# KiCad board Computer Board V2.1.kicad_pcb
title: Z80 Computer Board V2; date: 2025-09-06; rev: 1; note: By Thomas Combe
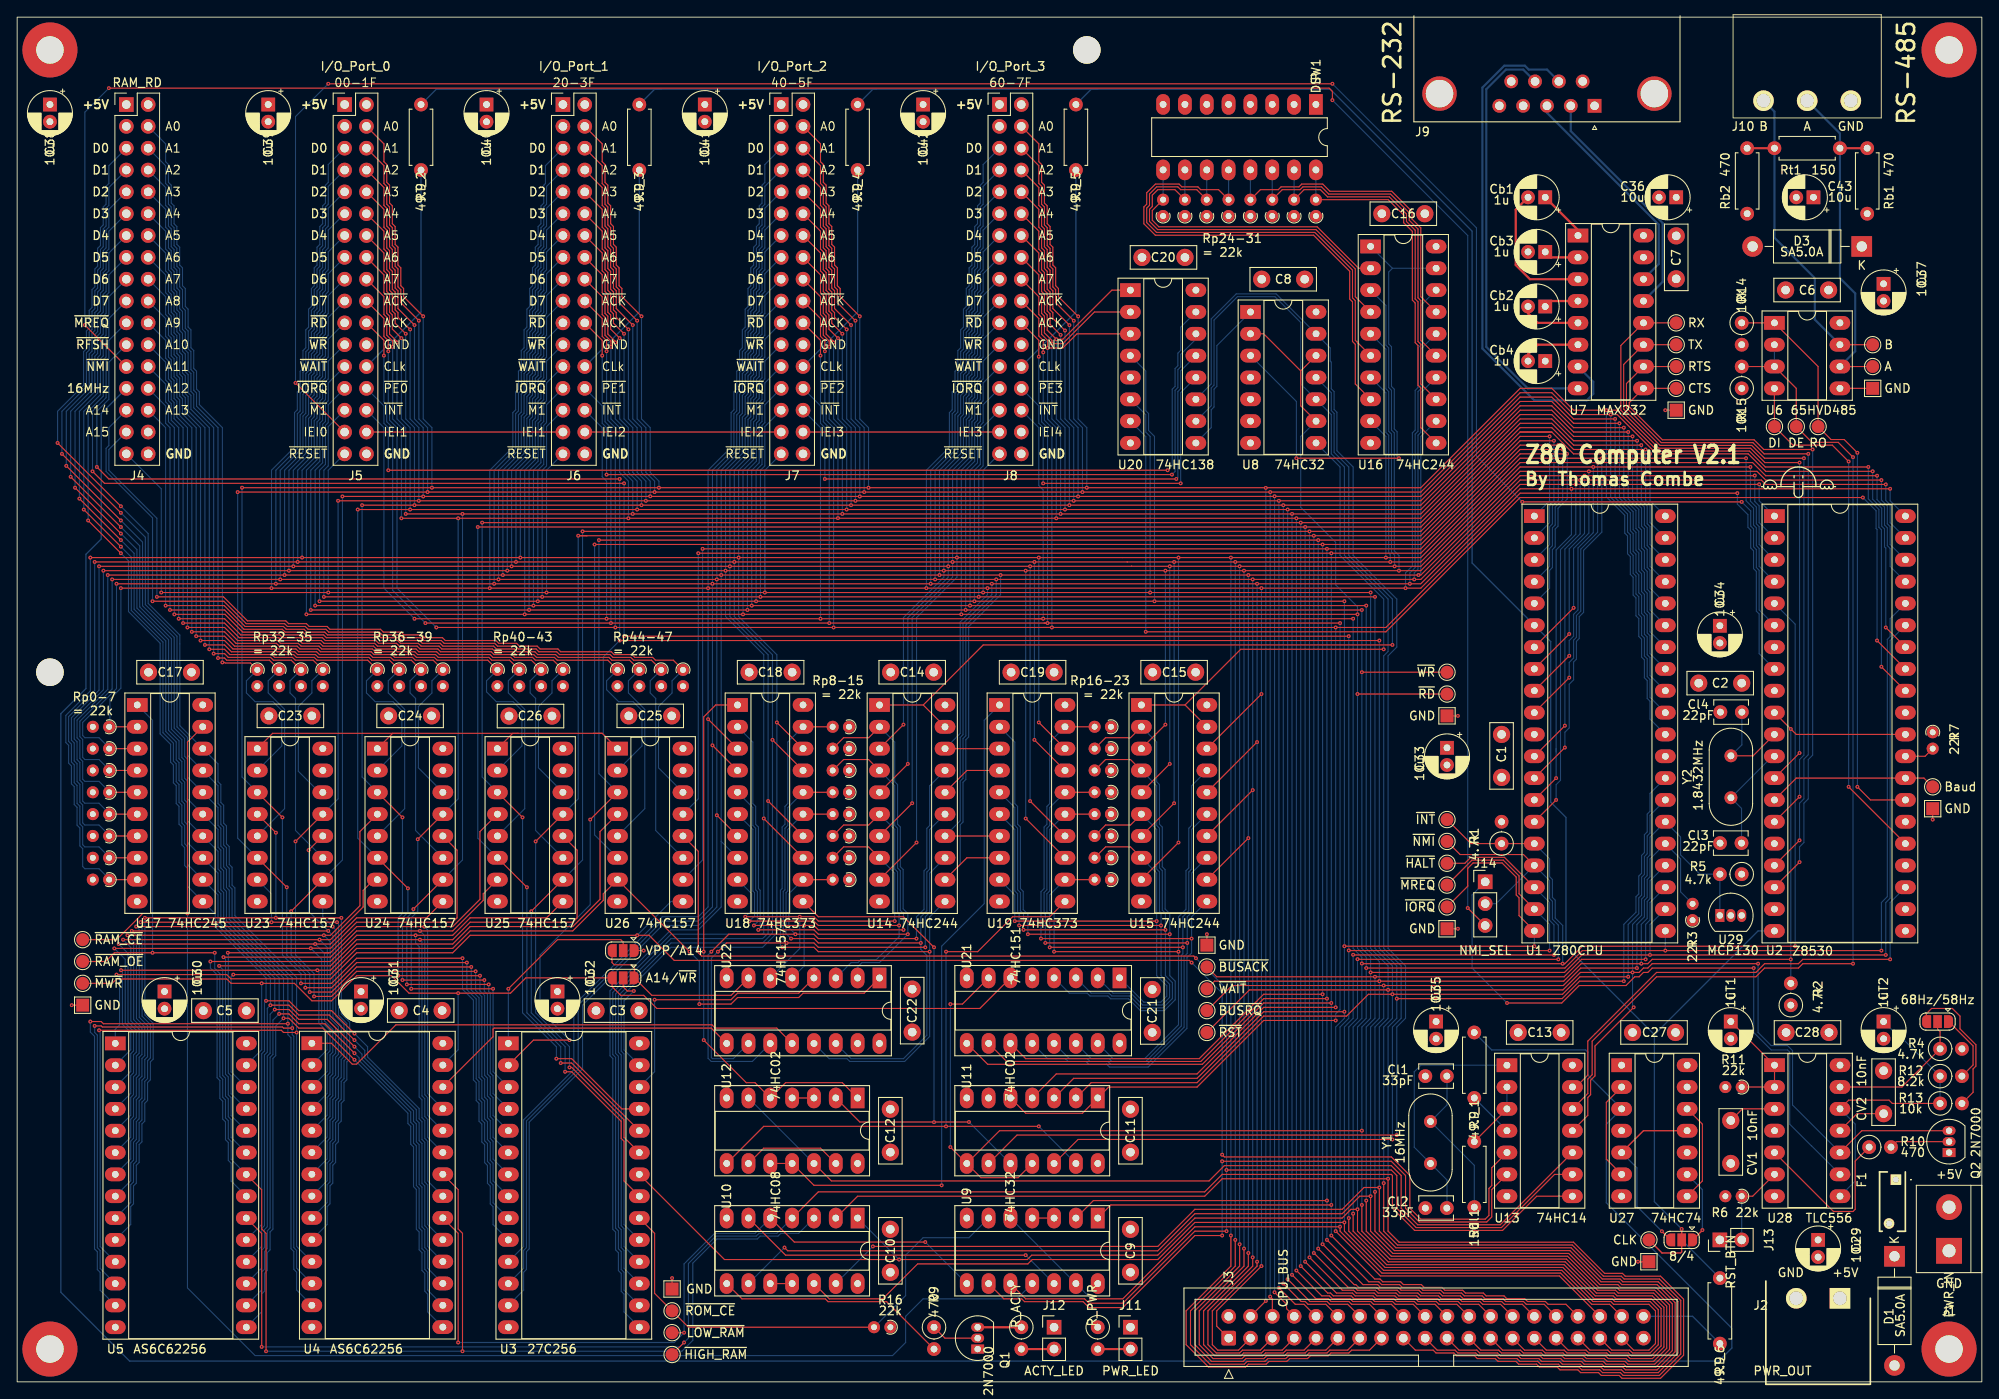
[diagram p0: board, top side]
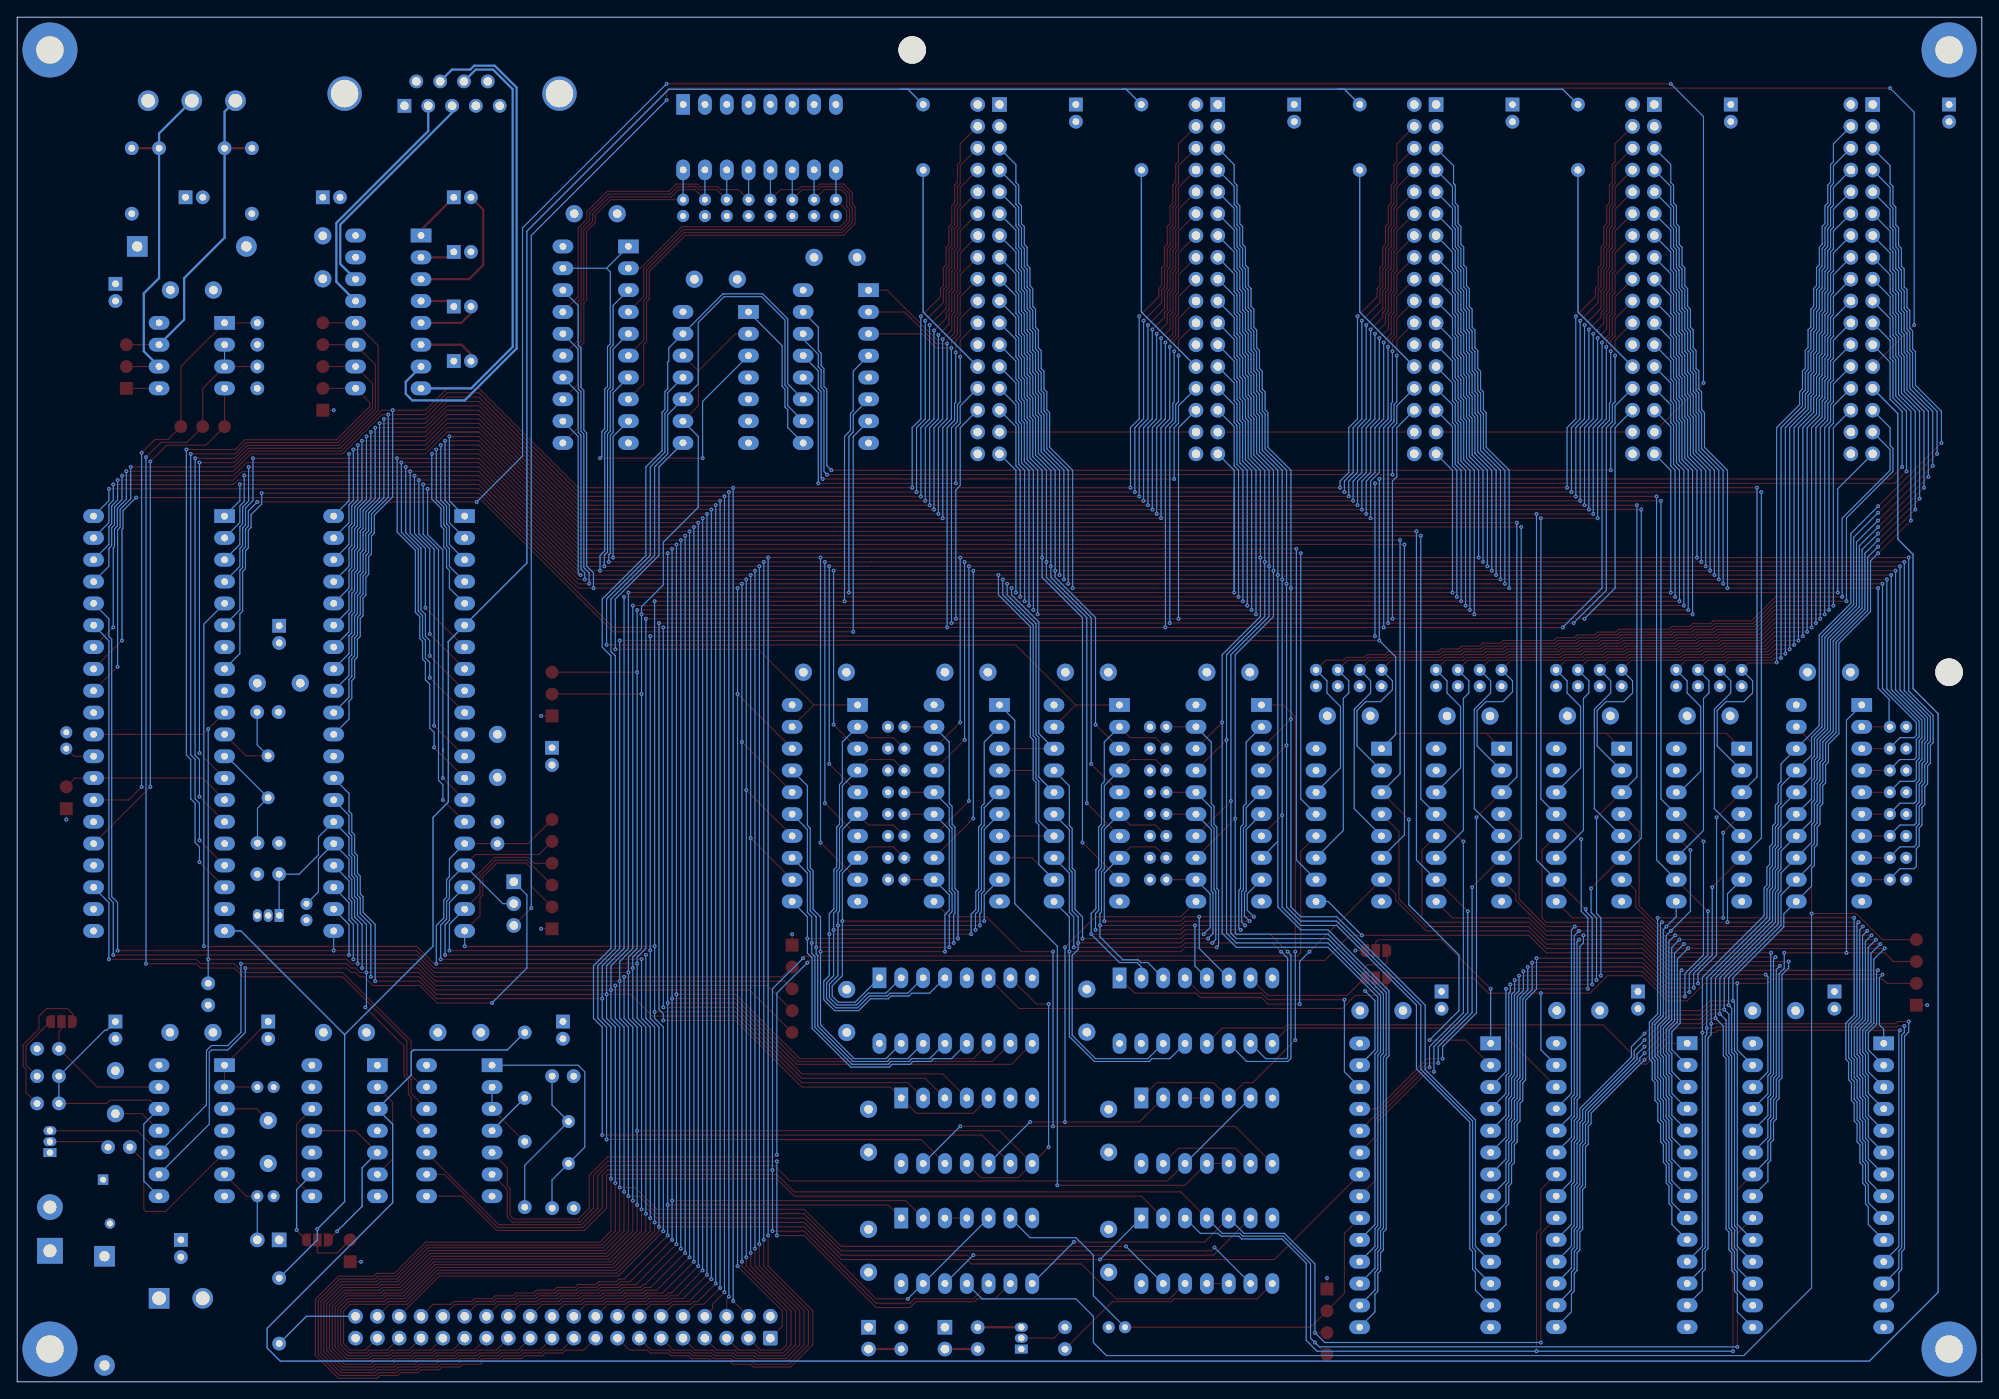
[diagram p1: board, bottom side, seen from below]

Outline 228.6 x 158.75 mm; copper layers: Top, In1.Cu, In2.Cu, Bottom. Coordinates in mm from the lower left corner of the outline.
Outline path: 0,158.75 228.6,158.75 228.6,0 0,0 0,158.75
Stack: Top 0.035mm / dielectric 0.1mm FR4 er 4.5 / In1.Cu 0.035mm / dielectric 1.24mm FR4 er 4.5 / In2.Cu 0.035mm / dielectric 0.1mm FR4 er 4.5 / Bottom 0.035mm

## Placement (name value [footprint] x y rotation side)
C1  10nF  [C_Disc_D7.5mm_W2.5mm_P5.00mm]  172.72 75.31 270 top
C2  10nF  [C_Disc_D7.5mm_W2.5mm_P5.00mm]  200.66 81.28 180 top
C3  10nF  [C_Disc_D7.5mm_W2.5mm_P5.00mm]  72.35 43.18 180 top
C4  10nF  [C_Disc_D7.5mm_W2.5mm_P5.00mm]  49.45 43.19 180 top
C5  10nF  [C_Disc_D7.5mm_W2.5mm_P5.00mm]  26.67 43.18 180 top
C6  10nF  [C_Disc_D7.5mm_W2.5mm_P5.00mm]  210.77 127.01 180 top
C7  10nF  [C_Disc_D7.5mm_W2.5mm_P5.00mm]  193.04 133.31 270 top
C8  10nF  [C_Disc_D7.5mm_W2.5mm_P5.00mm]  149.81 128.26 180 top
C9  10nF  [C_Disc_D7.5mm_W2.5mm_P5.00mm]  129.54 12.74 90 top
C10  10nF  [C_Disc_D7.5mm_W2.5mm_P5.00mm]  101.6 12.74 90 top
C11  10nF  [C_Disc_D7.5mm_W2.5mm_P5.00mm]  129.54 26.71 90 top
C12  10nF  [C_Disc_D7.5mm_W2.5mm_P5.00mm]  101.6 26.71 90 top
C13  10nF  [C_Disc_D7.5mm_W2.5mm_P5.00mm]  179.66 40.64 180 top
C14  10nF  [C_Disc_D7.5mm_W2.5mm_P5.00mm]  106.64 82.55 180 top
C15  10nF  [C_Disc_D7.5mm_W2.5mm_P5.00mm]  137.12 82.55 180 top
C16  10nF  [C_Disc_D7.5mm_W2.5mm_P5.00mm]  163.79 135.89 180 top
C17  10nF  [C_Disc_D7.5mm_W2.5mm_P5.00mm]  15.28 82.55 0 top
C18  10nF  [C_Disc_D7.5mm_W2.5mm_P5.00mm]  90.17 82.55 180 top
C19  10nF  [C_Disc_D7.5mm_W2.5mm_P5.00mm]  120.65 82.55 180 top
C20  10nF  [C_Disc_D7.5mm_W2.5mm_P5.00mm]  135.88 130.81 180 top
C21  10nF  [C_Disc_D7.5mm_W2.5mm_P5.00mm]  132.08 40.64 90 top
C22  10nF  [C_Disc_D7.5mm_W2.5mm_P5.00mm]  104.14 40.68 90 top
C23  10nF  [C_Disc_D7.5mm_W2.5mm_P5.00mm]  34.29 77.47 180 top
C24  10nF  [C_Disc_D7.5mm_W2.5mm_P5.00mm]  48.22 77.47 180 top
C25  10nF  [C_Disc_D7.5mm_W2.5mm_P5.00mm]  76.16 77.47 180 top
C26  10nF  [C_Disc_D7.5mm_W2.5mm_P5.00mm]  62.23 77.45 180 top
C27  10nF  [C_Disc_D7.5mm_W2.5mm_P5.00mm]  192.96 40.64 180 top
C28  10nF  [C_Disc_D7.5mm_W2.5mm_P5.00mm]  210.82 40.64 180 top
C29  10u  [CP_Radial_D5.0mm_P2.00mm]  209.55 16.51 270 top
C30  10u  [CP_Radial_D5.0mm_P2.00mm]  17.15 45.41 270 top
C31  10u  [CP_Radial_D5.0mm_P2.00mm]  40.01 45.41 270 top
C32  10u  [CP_Radial_D5.0mm_P2.00mm]  62.87 45.41 270 top
C33  10u  [CP_Radial_D5.0mm_P2.00mm]  166.37 73.75 270 top
C34  10u  [CP_Radial_D5.0mm_P2.00mm]  198.12 87.95 270 top
C35  10u  [CP_Radial_D5.0mm_P2.00mm]  165.1 41.91 270 top
C36  10u  [CP_Radial_D5.0mm_P2.00mm]  193.04 137.79 180 top
C37  10u  [CP_Radial_D5.0mm_P2.00mm]  217.17 127.73 270 top
C38  10u  [CP_Radial_D5.0mm_P2.00mm]  3.81 148.59 270 top
C39  10u  [CP_Radial_D5.0mm_P2.00mm]  29.21 148.59 270 top
C40  10u  [CP_Radial_D5.0mm_P2.00mm]  54.61 148.59 270 top
C41  10u  [CP_Radial_D5.0mm_P2.00mm]  80.01 148.59 270 top
C42  10u  [CP_Radial_D5.0mm_P2.00mm]  105.41 148.59 270 top
C43  10u  [CP_Radial_D5.0mm_P2.00mm]  209.01 137.79 180 top
Cb1  1u  [CP_Radial_D5.0mm_P2.00mm]  177.8 137.79 180 top
Cb2  1u  [CP_Radial_D5.0mm_P2.00mm]  177.8 125.09 180 top
Cb3  1u  [CP_Radial_D5.0mm_P2.00mm]  177.8 131.44 180 top
Cb4  1u  [CP_Radial_D5.0mm_P2.00mm]  177.8 118.74 180 top
Cl1  33pF  [C_Disc_D3.8mm_W2.6mm_P2.50mm]  166.35 35.56 180 top
Cl2  33pF  [C_Disc_D3.8mm_W2.6mm_P2.50mm]  166.35 20.21 180 top
Cl3  22pF  [C_Disc_D3.8mm_W2.6mm_P2.50mm]  200.64 62.67 180 top
Cl4  22pF  [C_Disc_D3.8mm_W2.6mm_P2.50mm]  200.68 77.91 180 top
CT1  1u  [CP_Radial_D5.0mm_P2.00mm]  199.39 41.91 270 top
CT2  1u  [CP_Radial_D5.0mm_P2.00mm]  217.17 41.91 270 top
CV1  10nF  [C_Disc_D7.5mm_W2.5mm_P5.00mm]  199.39 30.4 270 top
CV2  10nF  [C_Disc_D7.5mm_W2.5mm_P5.00mm]  217.17 31.19 90 top
D1  SA5.0A  [D_DO-15_P12.70mm_Horizontal]  218.44 14.6 270 top
D3  SA5.0A  [D_DO-15_P12.70mm_Horizontal]  214.63 132.08 180 top
F1  -  [0ZRG0120FF1E]  218.6 23.51 270 top
H1  M3  [MountingHole_3.2mm_M3_Pad]  3.81 154.94 0 top
H2  M3  [MountingHole_3.2mm_M3_Pad]  224.79 154.94 0 top
H3  M3  [MountingHole_3.2mm_M3_Pad]  3.81 3.81 0 top
H4  M3  [MountingHole_3.2mm_M3_Pad]  224.79 3.81 0 top
H5  MountingHole  [MountingHole_3.2mm_M3]  124.46 154.94 0 top
H6  MountingHole  [MountingHole_3.2mm_M3]  3.81 82.55 0 top
J1  PWR_IN  [TerminalBlock_bornier-2_P5.08mm]  224.79 15.24 90 top
J2  PWR_OUT  [SHDRRA2W100P0X508_1X2_1216X1200X850P]  212.09 9.72 180 top
J3  CPU_BUS  [IDC-Header_2x20_P2.54mm_Vertical]  140.97 5.08 90 top
J4  RAM_RD  [PinHeader_2x17_P2.54mm_Vertical]  12.7 148.59 0 top
J5  I/O_Port_0  [PinHeader_2x17_P2.54mm_Vertical]  38.1 148.59 0 top
J6  I/O_Port_1  [PinHeader_2x17_P2.54mm_Vertical]  63.5 148.59 0 top
J7  I/O_Port_2  [PinHeader_2x17_P2.54mm_Vertical]  88.9 148.59 0 top
J8  I/O_Port_3  [PinHeader_2x17_P2.54mm_Vertical]  114.3 148.59 0 top
J9  RS232  [DSUB-9_Male_Horizontal_P2.77x2.84mm_EdgePinOffset7.70mm_Housed_MountingHolesOffset9.12mm]  183.54 148.44 180 top
J10  RS485  [691313510003]  213.36 149.03 180 top
J11  PWR_LED  [PinHeader_1x02_P2.54mm_Vertical]  129.54 6.35 0 top
J12  ACTY_LED  [PinHeader_1x02_P2.54mm_Vertical]  120.65 6.35 0 top
J13  RST_BTN  [PinHeader_1x02_P2.54mm_Vertical]  198.12 16.51 90 top
J14  NMI_SEL  [PinHeader_1x03_P2.54mm_Vertical]  170.81 58.17 0 top
JP1  8/4  [SolderJumper-3_P1.3mm_Open_RoundedPad1.0x1.5mm]  193.68 16.51 180 top
JP2  VPP/A14  [SolderJumper-3_P1.3mm_Open_RoundedPad1.0x1.5mm]  70.52 50.16 180 top
JP3  A14/~{WR}  [SolderJumper-3_P1.3mm_Open_RoundedPad1.0x1.5mm]  70.52 46.99 180 top
JP4  68Hz/58Hz  [SolderJumper-3_P1.3mm_Open_RoundedPad1.0x1.5mm]  223.45 41.91 180 top
Q1  2N7000  [TO-92_Inline]  111.76 3.81 90 top
Q2  2N7000  [TO-92_Inline]  224.79 26.67 90 top
R1  4.7k  [R_Axial_DIN0207_L6.3mm_D2.5mm_P2.54mm_Vertical]  172.72 62.61 90 top
R2  4.7k  [R_Axial_DIN0207_L6.3mm_D2.5mm_P2.54mm_Vertical]  206.38 43.81 90 top
R3  22k  [R_Axial_DIN0204_L3.6mm_D1.6mm_P1.90mm_Vertical]  194.95 53.7 90 top
R4  4.7k  [R_Axial_DIN0207_L6.3mm_D2.5mm_P2.54mm_Vertical]  223.75 38.73 0 top
R5  4.7k  [R_Axial_DIN0207_L6.3mm_D2.5mm_P2.54mm_Vertical]  200.66 59.05 180 top
R6  22k  [R_Axial_DIN0204_L3.6mm_D1.6mm_P1.90mm_Vertical]  200.66 21.59 180 top
R7  22k  [R_Axial_DIN0204_L3.6mm_D1.6mm_P1.90mm_Vertical]  222.89 75.56 270 top
R9  470  [R_Axial_DIN0207_L6.3mm_D2.5mm_P2.54mm_Vertical]  106.68 6.35 270 top
R10  470  [R_Axial_DIN0207_L6.3mm_D2.5mm_P2.54mm_Vertical]  215.49 27.3 0 top
R11  22k  [R_Axial_DIN0204_L3.6mm_D1.6mm_P1.90mm_Vertical]  200.66 34.29 180 top
R12  8.2k  [R_Axial_DIN0207_L6.3mm_D2.5mm_P2.54mm_Vertical]  223.75 35.56 0 top
R13  10k  [R_Axial_DIN0207_L6.3mm_D2.5mm_P2.54mm_Vertical]  223.75 32.38 0 top
R14  10k  [R_Axial_DIN0207_L6.3mm_D2.5mm_P2.54mm_Vertical]  200.66 123.19 270 top
R15  10k  [R_Axial_DIN0207_L6.3mm_D2.5mm_P2.54mm_Vertical]  200.66 115.57 90 top
R16  22k  [R_Axial_DIN0204_L3.6mm_D1.6mm_P1.90mm_Vertical]  101.6 6.35 180 top
R17  R_PWR  [R_Axial_DIN0207_L6.3mm_D2.5mm_P2.54mm_Vertical]  125.73 6.35 270 top
R18  R_ACTY  [R_Axial_DIN0207_L6.3mm_D2.5mm_P2.54mm_Vertical]  116.84 6.35 270 top
Rb1  470  [R_Axial_DIN0207_L6.3mm_D2.5mm_P7.62mm_Horizontal]  215.27 135.89 90 top
Rb2  470  [R_Axial_DIN0207_L6.3mm_D2.5mm_P7.62mm_Horizontal]  201.29 143.51 270 top
Rdl1  150  [R_Axial_DIN0207_L6.3mm_D2.5mm_P7.62mm_Horizontal]  169.55 27.94 270 top
Rp_0  22k  [R_Axial_DIN0204_L3.6mm_D1.6mm_P1.90mm_Vertical]  10.7 76.2 180 top
Rp_1  22k  [R_Axial_DIN0204_L3.6mm_D1.6mm_P1.90mm_Vertical]  10.7 73.66 180 top
Rp_2  22k  [R_Axial_DIN0204_L3.6mm_D1.6mm_P1.90mm_Vertical]  10.7 71.12 180 top
Rp_3  22k  [R_Axial_DIN0204_L3.6mm_D1.6mm_P1.90mm_Vertical]  10.7 68.58 180 top
Rp_4  22k  [R_Axial_DIN0204_L3.6mm_D1.6mm_P1.90mm_Vertical]  10.7 66.04 180 top
Rp_5  22k  [R_Axial_DIN0204_L3.6mm_D1.6mm_P1.90mm_Vertical]  10.7 63.5 180 top
Rp_6  22k  [R_Axial_DIN0204_L3.6mm_D1.6mm_P1.90mm_Vertical]  10.7 60.96 180 top
Rp_7  22k  [R_Axial_DIN0204_L3.6mm_D1.6mm_P1.90mm_Vertical]  10.7 58.42 180 top
Rp_8  22k  [R_Axial_DIN0204_L3.6mm_D1.6mm_P1.90mm_Vertical]  96.79 73.66 180 top
Rp_9  22k  [R_Axial_DIN0204_L3.6mm_D1.6mm_P1.90mm_Vertical]  96.79 71.12 180 top
Rp_10  22k  [R_Axial_DIN0204_L3.6mm_D1.6mm_P1.90mm_Vertical]  96.79 63.5 180 top
Rp_11  22k  [R_Axial_DIN0204_L3.6mm_D1.6mm_P1.90mm_Vertical]  96.79 60.96 180 top
Rp_12  22k  [R_Axial_DIN0204_L3.6mm_D1.6mm_P1.90mm_Vertical]  96.79 58.42 180 top
Rp_13  22k  [R_Axial_DIN0204_L3.6mm_D1.6mm_P1.90mm_Vertical]  96.79 66.04 180 top
Rp_14  22k  [R_Axial_DIN0204_L3.6mm_D1.6mm_P1.90mm_Vertical]  96.79 68.58 180 top
Rp_15  22k  [R_Axial_DIN0204_L3.6mm_D1.6mm_P1.90mm_Vertical]  96.79 76.2 180 top
Rp_16  22k  [R_Axial_DIN0204_L3.6mm_D1.6mm_P1.90mm_Vertical]  127.27 73.66 180 top
Rp_17  22k  [R_Axial_DIN0204_L3.6mm_D1.6mm_P1.90mm_Vertical]  127.27 71.12 180 top
Rp_18  22k  [R_Axial_DIN0204_L3.6mm_D1.6mm_P1.90mm_Vertical]  127.27 63.5 180 top
Rp_19  22k  [R_Axial_DIN0204_L3.6mm_D1.6mm_P1.90mm_Vertical]  127.27 60.96 180 top
Rp_20  22k  [R_Axial_DIN0204_L3.6mm_D1.6mm_P1.90mm_Vertical]  127.27 58.42 180 top
Rp_21  22k  [R_Axial_DIN0204_L3.6mm_D1.6mm_P1.90mm_Vertical]  127.27 66.04 180 top
Rp_22  22k  [R_Axial_DIN0204_L3.6mm_D1.6mm_P1.90mm_Vertical]  127.27 68.58 180 top
Rp_23  22k  [R_Axial_DIN0204_L3.6mm_D1.6mm_P1.90mm_Vertical]  127.27 76.2 180 top
Rp_24  22k  [R_Axial_DIN0204_L3.6mm_D1.6mm_P1.90mm_Vertical]  151.12 135.62 90 top
Rp_25  22k  [R_Axial_DIN0204_L3.6mm_D1.6mm_P1.90mm_Vertical]  148.58 135.62 90 top
Rp_26  22k  [R_Axial_DIN0204_L3.6mm_D1.6mm_P1.90mm_Vertical]  146.03 135.62 90 top
Rp_27  22k  [R_Axial_DIN0204_L3.6mm_D1.6mm_P1.90mm_Vertical]  143.5 135.62 90 top
Rp_28  22k  [R_Axial_DIN0204_L3.6mm_D1.6mm_P1.90mm_Vertical]  140.96 135.62 90 top
Rp_29  22k  [R_Axial_DIN0204_L3.6mm_D1.6mm_P1.90mm_Vertical]  138.42 135.62 90 top
Rp_30  22k  [R_Axial_DIN0204_L3.6mm_D1.6mm_P1.90mm_Vertical]  135.88 135.62 90 top
Rp_31  22k  [R_Axial_DIN0204_L3.6mm_D1.6mm_P1.90mm_Vertical]  133.34 135.62 90 top
Rp_32  22k  [R_Axial_DIN0204_L3.6mm_D1.6mm_P1.90mm_Vertical]  27.94 82.82 270 top
Rp_33  22k  [R_Axial_DIN0204_L3.6mm_D1.6mm_P1.90mm_Vertical]  30.48 82.82 270 top
Rp_34  22k  [R_Axial_DIN0204_L3.6mm_D1.6mm_P1.90mm_Vertical]  33.02 82.82 270 top
Rp_35  22k  [R_Axial_DIN0204_L3.6mm_D1.6mm_P1.90mm_Vertical]  35.56 82.82 270 top
Rp_36  22k  [R_Axial_DIN0204_L3.6mm_D1.6mm_P1.90mm_Vertical]  41.91 82.82 270 top
Rp_37  22k  [R_Axial_DIN0204_L3.6mm_D1.6mm_P1.90mm_Vertical]  44.45 82.82 270 top
Rp_38  22k  [R_Axial_DIN0204_L3.6mm_D1.6mm_P1.90mm_Vertical]  46.99 82.82 270 top
Rp_39  22k  [R_Axial_DIN0204_L3.6mm_D1.6mm_P1.90mm_Vertical]  49.53 82.82 270 top
Rp_40  22k  [R_Axial_DIN0204_L3.6mm_D1.6mm_P1.90mm_Vertical]  55.88 82.82 270 top
Rp_41  22k  [R_Axial_DIN0204_L3.6mm_D1.6mm_P1.90mm_Vertical]  58.42 82.82 270 top
Rp_42  22k  [R_Axial_DIN0204_L3.6mm_D1.6mm_P1.90mm_Vertical]  60.96 82.82 270 top
Rp_43  22k  [R_Axial_DIN0204_L3.6mm_D1.6mm_P1.90mm_Vertical]  63.5 82.82 270 top
Rp_44  22k  [R_Axial_DIN0204_L3.6mm_D1.6mm_P1.90mm_Vertical]  69.85 82.82 270 top
Rp_45  22k  [R_Axial_DIN0204_L3.6mm_D1.6mm_P1.90mm_Vertical]  72.39 82.82 270 top
Rp_46  22k  [R_Axial_DIN0204_L3.6mm_D1.6mm_P1.90mm_Vertical]  74.93 82.82 270 top
Rp_47  22k  [R_Axial_DIN0204_L3.6mm_D1.6mm_P1.90mm_Vertical]  77.47 82.82 270 top
Rt1  150  [R_Axial_DIN0207_L6.3mm_D2.5mm_P7.62mm_Horizontal]  212.09 143.51 180 top
RT_1  49.9  [R_Axial_DIN0207_L6.3mm_D2.5mm_P7.62mm_Horizontal]  169.55 33.02 90 top
RT_2  49.9  [R_Axial_DIN0207_L6.3mm_D2.5mm_P7.62mm_Horizontal]  46.99 140.97 90 top
RT_3  49.9  [R_Axial_DIN0207_L6.3mm_D2.5mm_P7.62mm_Horizontal]  72.39 140.97 90 top
RT_4  49.9  [R_Axial_DIN0207_L6.3mm_D2.5mm_P7.62mm_Horizontal]  97.79 140.97 90 top
RT_5  49.9  [R_Axial_DIN0207_L6.3mm_D2.5mm_P7.62mm_Horizontal]  123.19 140.97 90 top
RT_6  49.9  [R_Axial_DIN0207_L6.3mm_D2.5mm_P7.62mm_Horizontal]  198.12 4.44 90 top
SW1  DIP  [DIP-16_W7.62mm_LongPads]  151.12 148.6 270 top
TP1  ~{NMI}  [TestPoint_Pad_D1.5mm]  166.37 62.86 0 top
TP2  Baud  [TestPoint_Pad_D1.5mm]  222.89 69.22 180 top
TP3  CTS  [TestPoint_Pad_D1.5mm]  193.04 115.57 0 top
TP4  RTS  [TestPoint_Pad_D1.5mm]  193.04 118.11 0 top
TP5  TX  [TestPoint_Pad_D1.5mm]  193.04 120.65 0 top
TP6  RX  [TestPoint_Pad_D1.5mm]  193.04 123.19 0 top
TP8  ~{RST}  [TestPoint_Pad_D1.5mm]  138.43 40.64 0 top
TP9  ~{INT}  [TestPoint_Pad_D1.5mm]  166.37 65.41 0 top
TP10  ~{WAIT}  [TestPoint_Pad_D1.5mm]  138.43 45.72 0 top
TP11  ~{BUSRQ}  [TestPoint_Pad_D1.5mm]  138.43 43.18 0 top
TP12  ~{BUSACK}  [TestPoint_Pad_D1.5mm]  138.43 48.26 0 top
TP13  ~{HALT}  [TestPoint_Pad_D1.5mm]  166.37 60.32 0 top
TP14  A  [TestPoint_Pad_D1.5mm]  215.9 118.11 0 top
TP15  B  [TestPoint_Pad_D1.5mm]  215.9 120.65 0 top
TP17  ~{RAM_CE}  [TestPoint_Pad_D1.5mm]  7.62 51.44 0 top
TP18  ~{RAM_OE}  [TestPoint_Pad_D1.5mm]  7.62 48.89 0 top
TP19  ~{ROM_CE}  [TestPoint_Pad_D1.5mm]  76.2 8.25 0 top
TP20  ~{MWR}  [TestPoint_Pad_D1.5mm]  7.62 46.35 0 top
TP22  CLK  [TestPoint_Pad_D1.5mm]  189.87 16.51 0 top
TP23  ~{LOW_RAM}  [TestPoint_Pad_D1.5mm]  76.2 5.72 0 top
TP24  ~{HIGH_RAM}  [TestPoint_Pad_D1.5mm]  76.2 3.17 0 top
TP25  ~{WR}  [TestPoint_Pad_D1.5mm]  166.37 82.55 0 top
TP26  ~{RD}  [TestPoint_Pad_D1.5mm]  166.37 80.01 0 top
TP28  ~{MREQ}  [TestPoint_Pad_D1.5mm]  166.37 57.78 180 top
TP29  ~{IORQ}  [TestPoint_Pad_D1.5mm]  166.37 55.25 180 top
TP32  GND  [TestPoint_Pad_1.5x1.5mm]  189.87 13.97 0 top
TP33  GND  [TestPoint_Pad_1.5x1.5mm]  222.89 66.67 180 top
TP34  RO  [TestPoint_Pad_D1.5mm]  209.55 111.12 0 top
TP35  DE  [TestPoint_Pad_D1.5mm]  207.01 111.12 0 top
TP36  DI  [TestPoint_Pad_D1.5mm]  204.47 111.12 0 top
TP37  GND  [TestPoint_Pad_1.5x1.5mm]  166.37 52.7 0 top
TP38  GND  [TestPoint_Pad_1.5x1.5mm]  215.9 115.57 0 top
TP39  GND  [TestPoint_Pad_1.5x1.5mm]  193.04 113.03 0 top
TP40  GND  [TestPoint_Pad_1.5x1.5mm]  138.43 50.8 0 top
TP41  GND  [TestPoint_Pad_1.5x1.5mm]  7.62 43.81 0 top
TP42  GND  [TestPoint_Pad_1.5x1.5mm]  166.37 77.47 0 top
TP43  GND  [TestPoint_Pad_1.5x1.5mm]  76.2 10.79 0 top
U1  Z80CPU  [DIP-40_W15.24mm_Socket_LongPads]  176.53 100.71 0 top
U2  Z8530  [DIP-40_W15.24mm_Socket_LongPads]  204.47 100.71 0 top
U3  27C256  [DIP-28_W15.24mm_Socket_LongPads]  57.15 39.37 0 top
U4  AS6C62256  [DIP-28_W15.24mm_Socket_LongPads]  34.29 39.38 0 top
U5  AS6C62256  [DIP-28_W15.24mm_Socket_LongPads]  11.41 39.37 0 top
U6  65HVD485  [DIP-8_W7.62mm_Socket_LongPads]  204.47 123.19 0 top
U7  MAX232  [DIP-16_W7.62mm_Socket_LongPads]  181.61 133.35 0 top
U8  74HC32  [DIP-14_W7.62mm_Socket_LongPads]  143.51 124.46 0 top
U9  74HC32  [DIP-14_W7.62mm_Socket_LongPads]  125.73 19.05 270 top
U10  74HC08  [DIP-14_W7.62mm_Socket_LongPads]  97.79 19.05 270 top
U11  74HC02  [DIP-14_W7.62mm_Socket_LongPads]  125.73 33.02 270 top
U12  74HC02  [DIP-14_W7.62mm_Socket_LongPads]  97.79 33.02 270 top
U13  74HC14  [DIP-14_W7.62mm_Socket_LongPads]  173.34 36.83 0 top
U14  74HC244  [DIP-20_W7.62mm_Socket_LongPads]  100.34 78.73 0 top
U15  74HC244  [DIP-20_W7.62mm_Socket_LongPads]  130.81 78.74 0 top
U16  74HC244  [DIP-20_W7.62mm_Socket_LongPads]  157.48 132.08 0 top
U17  74HC245  [DIP-20_W7.62mm_Socket_LongPads]  13.97 78.74 0 top
U18  74HC373  [DIP-20_W7.62mm_Socket_LongPads]  83.82 78.74 0 top
U19  74HC373  [DIP-20_W7.62mm_Socket_LongPads]  114.3 78.74 0 top
U20  74HC138  [DIP-16_W7.62mm_Socket_LongPads]  129.53 126.99 0 top
U21  74HC151  [DIP-16_W7.62mm_Socket_LongPads]  128.27 46.99 270 top
U22  74HC157  [DIP-16_W7.62mm_Socket_LongPads]  100.33 46.98 270 top
U23  74HC157  [DIP-16_W7.62mm_Socket_LongPads]  27.94 73.66 0 top
U24  74HC157  [DIP-16_W7.62mm_Socket_LongPads]  41.91 73.66 0 top
U25  74HC157  [DIP-16_W7.62mm_Socket_LongPads]  55.88 73.66 0 top
U26  74HC157  [DIP-16_W7.62mm_Socket_LongPads]  69.85 73.66 0 top
U27  74HC74  [DIP-14_W7.62mm_Socket_LongPads]  186.69 36.83 0 top
U28  TLC556  [DIP-14_W7.62mm_Socket_LongPads]  204.48 36.83 0 top
U29  MCP130  [TO-92_Inline]  198.12 54.25 0 top
Y1  16MHz  [Crystal_HC49-U_Vertical]  164.45 30.28 270 top
Y2  1.8432MHz  [Crystal_HC49-U_Vertical]  199.41 72.82 270 top

## Library data of the parts
C1-C28 Cl1-Cl4 CV1 CV2 = -: Description: Unpolarized capacitor, small symbol
C29-C43 Cb1-Cb4 CT1 CT2 = -: Description: Polarized capacitor, small symbol
D1 D3 = -: Description: Littelfuse SA5.0A, Uni-Directional TVS Diode, 500W, 2-Pin DO-204AC; Arrow Price/Stock: https://www.arrow.com/en/products/sa5.0a/littelfuse?region=nac; Manufacturer_Name: LITTELFUSE; Mouser Part Number: 576-SA5.0A; Mouser Price/Stock: https://www.mouser.co.uk/ProductDetail/Littelfuse/SA5.0A?qs=HR2RnyOI4E7eCujU5LAbBQ%3D%3D
F1 = -: Description: Polymeric PTC Resettable Fuse 30V 1.2 A Ih Through Hole Radial, Disc; Height: 11.7; Manufacturer_Name: Bel Circuit Protection
H1-H4 = -: Description: Mounting Hole with connection
H5 H6 = -: Description: Mounting Hole without connection
J1 = -: Description: Generic screw terminal, single row, 01x02, script generated (kicad-library-utils/schlib/autogen/connector/)
J2 = -: Description: 2 Position Terminal Block Header, Male Pins, Shrouded (4 Side) 0.200" (5.08mm) 90, Right Angle  Through Hole; Height: 8.5; Manufacturer_Name: Wurth Elektronik; Manufacturer_Part_Number: 691313510002; Mouser Part Number: 710-691313510002; Mouser Price/Stock: https://www.mouser.co.uk/ProductDetail/Wurth-Elektronik/691313510002?qs=2kOmHSv6VfR6BrMDgUh3kQ%3D%3D
J3 = -: Description: Generic connector, double row, 02x20, odd/even pin numbering scheme (row 1 odd numbers, row 2 even numbers), script generated (kicad-library-utils/schlib/autogen/connector/)
J4-J8 = -: Description: Generic connector, double row, 02x17, odd/even pin numbering scheme (row 1 odd numbers, row 2 even numbers), script generated (kicad-library-utils/schlib/autogen/connector/)
J10 = -: Description: Wurth Elektronik 313 Series 5.08mm Pitch Straight Pluggable Terminal Block, PCB Header, Through Hole, 3 Way; Height: 8.7; Manufacturer_Name: Wurth Elektronik; Manufacturer_Part_Number: 691313510003; Mouser Part Number: 710-691313510003; Mouser Price/Stock: https://www.mouser.co.uk/ProductDetail/Wurth-Elektronik/691313510003?qs=E2PpAYvlWVuriHHnVOgTEg%3D%3D
J11-J13 = -: Description: Generic connector, single row, 01x02, script generated (kicad-library-utils/schlib/autogen/connector/)
J14 = -: Description: Generic connector, single row, 01x03, script generated (kicad-library-utils/schlib/autogen/connector/)
JP1-JP4 = -: Description: Solder Jumper, 3-pole, open
Q1 Q2 = -: Description: 0.2A Id, 200V Vds, N-Channel MOSFET, 2.6V Logic Level, TO-92
R1-R7 R9-R18 Rb1 Rb2 Rdl1 Rp_0-Rp_47 Rt1 RT_1-RT_6 = -: Description: Resistor, small symbol
SW1 = -: Description: 8x DIP Switch, Single Pole Single Throw (SPST) switch, small symbol
TP1-TP6 TP8-TP15 TP17-TP20 TP22-TP26 TP28 TP29 TP32-TP43 = -: Description: test point
U1 = -: Description: 8-bit General Purpose Microprocessor, DIP-40
U2 = -: Description: SCC Serial Communication Controller, DIP-40
U3 = -: Description: OTP EPROM 256 KiBit
U4 U5 = -: Description: 32Kx8 bit Low Power CMOS Static RAM, 55/70ns, DIP-28
U6 = -: Description: Half-Duplex RS-485 Transceiver; Arrow Part Number: SN65HVD485EP; Arrow Price/Stock: https://www.arrow.com/en/products/sn65hvd485ep/texas-instruments?region=nac; Height: 5.08; Manufacturer_Name: Texas Instruments; Manufacturer_Part_Number: SN65HVD485EP; Mouser Part Number: 595-SN65HVD485EP; Mouser Price/Stock: https://www.mouser.co.uk/ProductDetail/Texas-Instruments/SN65HVD485EP?qs=QViXGNcIEAtL6t8tTk4hzg%3D%3D
U7 = -: Description: Dual RS232 driver/receiver, 5V supply, 120kb/s, 0C-70C
U8 U9 = -: Description: High Speed CMOS Logic Quad 2-Input OR Gates; Arrow Part Number: CD74HC32E; Arrow Price/Stock: https://www.arrow.com/en/products/cd74hc32e/texas-instruments?region=nac; Height: 5.08; Manufacturer_Name: Texas Instruments; Manufacturer_Part_Number: CD74HC32E; Mouser Part Number: 595-CD74HC32E; Mouser Price/Stock: https://www.mouser.co.uk/ProductDetail/Texas-Instruments/CD74HC32E?qs=tJ5HNKWh3OWln99ctEO0hw%3D%3D
U10 = -: Description: SNx4HC08 Quadruple 2-Input AND Gates; Height: 5.08; Manufacturer_Name: Texas Instruments; Manufacturer_Part_Number: SN74HC08AN; Mouser Part Number: 595-SN74HC08AN; Mouser Price/Stock: https://www.mouser.co.uk/ProductDetail/Texas-Instruments/SN74HC08AN?qs=byeeYqUIh0O9MyGywGYg%252Bw%3D%3D